# Altium PCB PFC_Stage.PcbDoc (part 5 of 5)
Units mil, origin at the board's own origin, x right, y up, seen from the top; angles counter-clockwise.
Board outline 14960.63 x 6299.21 mil, 2 copper layers (Top Layer, Bottom Layer), stack 64.567 mil thick; 586 components, 249 nets, 1375 pads, 1157 vias.
Unrouted connection lines stored in the file: 732.
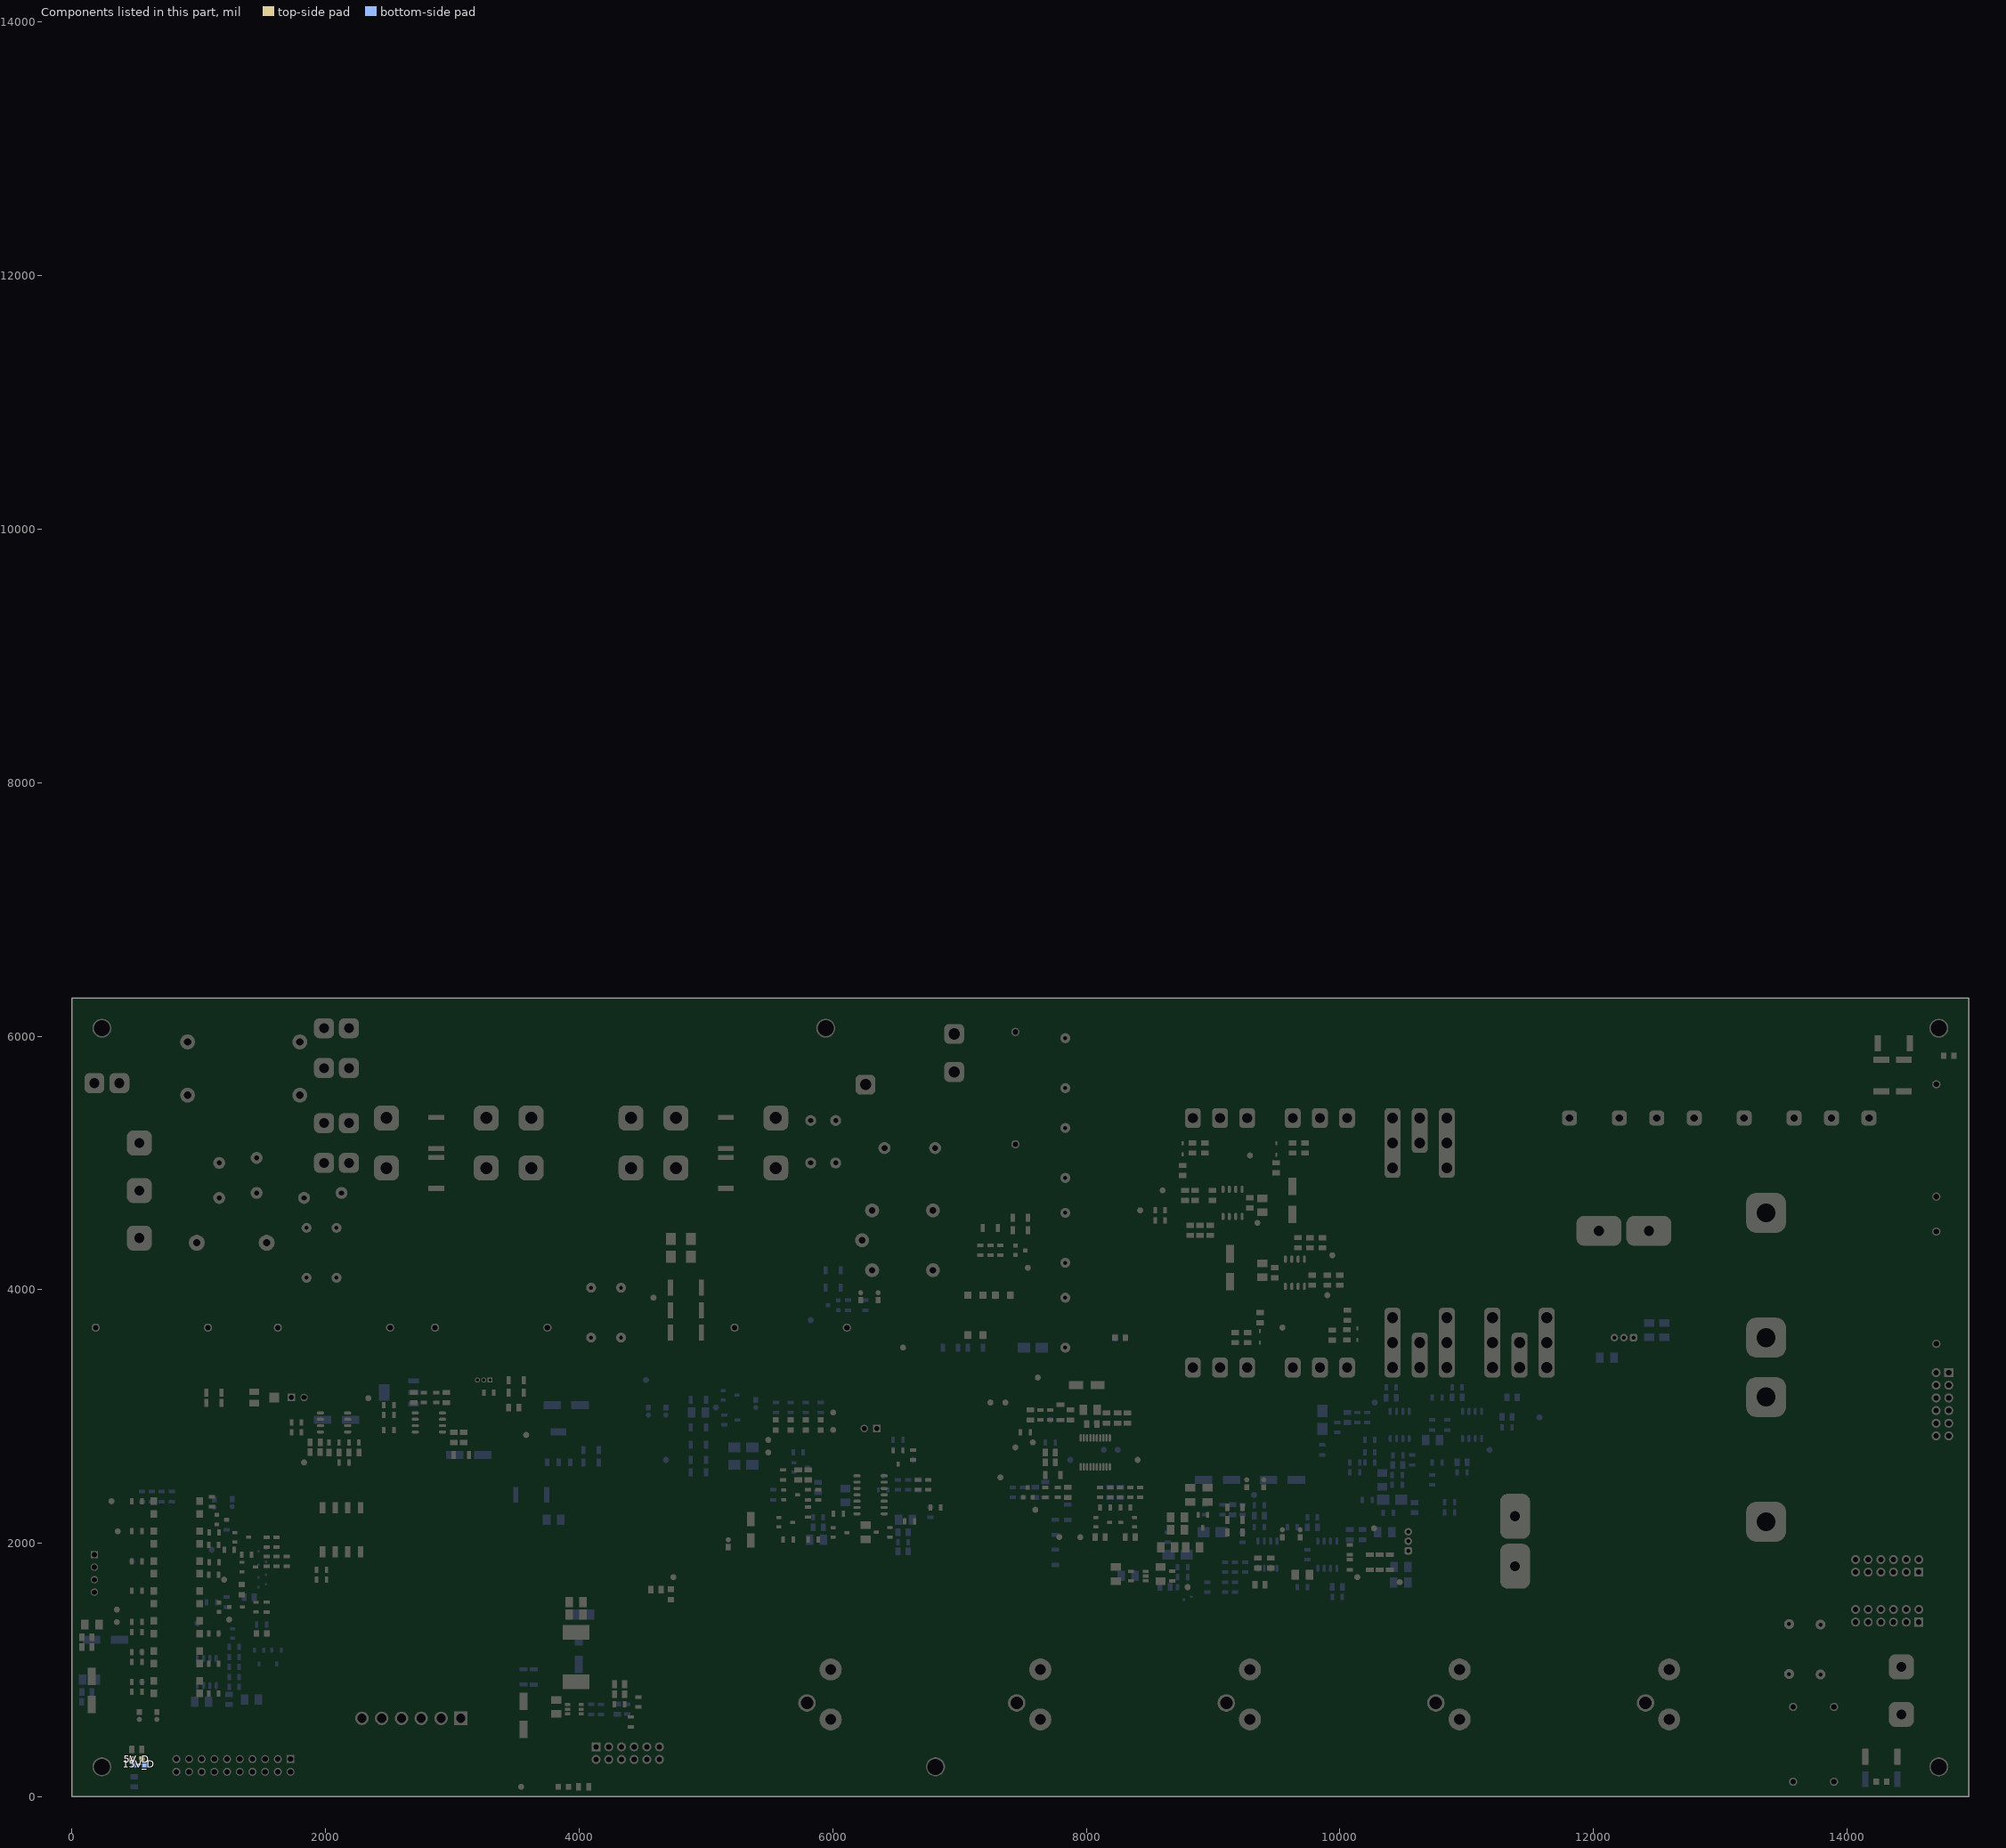
[diagram p5: the components of this part, seen from the top]

## Polygon pours and split planes (outlines as drawn) (continued)
OP_AMP_CS_VSS on Bottom Layer "NONET_L-01_P-001" (solid, pour order 39): 9586.61,2244.09 9586.61,2381.89 9704.72,2381.89 9763.78,2322.83 9763.78,2244.09
GND_D on Bottom Layer "GND_D_L02_P074" (solid, pour order 74): 885.83,2500 826.77,2440.94 826.77,708.66 885.83,649.61 1988.19,649.61 2027.56,610.24 2027.56,0 0,0 0,3385.83 2834.65,3385.83 2834.65,2519.69 2814.96,2500
Chassis on Bottom Layer "CHASSIS_L02_P084" (solid, remove dead copper, pour order 84): 4470.75,3689.87 7843.42,3689.87 7992.13,3838.58 7992.13,6299.21 0,6299.21 0,3436.26 0.43,3435.83 3763.95,3435.83 3880.2,3552.08 4332.96,3552.08
NEUTRAL_2 on Bottom Layer "NEUTRAL_2_L02_P040" (solid, pour order 40): 19 vertices, not listed, extent 5334.65,4616.14 8661.42,5669.29
NetC56_2 on Bottom Layer "NETC56_2_L02_P037" (solid, pour order 37): 21 vertices, not listed, extent 5059.06,4291.34 6476.38,6043.31
GND_HV on Bottom Layer "GND_HV_L02_P075" (solid, remove dead copper, pour order 75): 48 vertices, not listed, extent 7153.7,1100 10492.13,3051.18
J1N_2 on Bottom Layer "J1N_2_L02_P022" (solid, pour order 22): 20 vertices, not listed, extent 354.33,4639.54 2311.77,5433.07
NetC63_1 on Bottom Layer "NETC63_1_L02_P025" (solid, pour order 25): 4251.97,5078.74 4291.34,5118.11 4881.89,5118.11 4921.26,5078.74 4921.26,4842.52 4881.89,4803.15 4291.34,4803.15 4251.97,4842.52
NetC62_1 on Bottom Layer "NETC62_1_L02_P024" (solid, pour order 24): 3110.24,5078.74 3149.61,5118.11 3740.16,5118.11 3779.53,5078.74 3779.53,4842.52 3740.16,4803.15 3149.61,4803.15 3110.24,4842.52
NetC59_1 on Bottom Layer "NETC59_1_L02_P023" (solid, pour order 23): 19 vertices, not listed, extent 1397.64,4645.67 2637.8,5146.42
NetC55_2 on Bottom Layer "NETC55_2_L02_P021" (solid, pour order 21): 4251.97,5472.44 4291.34,5511.81 4881.89,5511.81 4921.26,5472.44 4921.26,5236.22 4881.89,5196.85 4291.34,5196.85 4251.97,5236.22
NetC54_2 on Bottom Layer "NETC54_2_L02_P020" (solid, pour order 20): 3110.24,5472.44 3149.61,5511.81 3740.16,5511.81 3779.53,5472.44 3779.53,5236.22 3740.16,5196.85 3149.61,5196.85 3110.24,5236.22
NetC59_2 on Bottom Layer "NETC59_2_L02_P019" (solid, pour order 19): 1950.02,5894.45 2570.12,5894.45 2598.43,5866.14 2598.43,5236.22 2559.06,5196.85 2401.57,5196.85 2362.2,5236.22 2362.2,5590.55 2311.77,5640.98 1918.07,5640.98 1909.45,5649.61 1909.45,5853.87
NetP6_1 on Bottom Layer "NETP6_1_L02_P017" (solid, pour order 17): 1574.8,6259.84 1496.06,6181.1 1496.06,5551.18 1574.8,5472.44 1614.17,5433.07 1843.58,5433.07 1859.02,5448.52 1859.02,5874.76 1929.13,5944.88 2283.46,5944.88 2322.83,5984.25 2322.83,6259.84
J1L_2 on Bottom Layer "J1L_2_L02_P016" (solid, pour order 16): 393.7,5433.07 531.5,5433.07 551.18,5452.76 551.18,6240.16 570.87,6259.84 1062.99,6259.84 1102.36,6220.47 1102.36,5590.55 659.45,5147.64 659.45,5059.06 639.76,5039.37 374.02,5039.37 354.33,5059.06 354.33,5393.7
NetQ3_2 on Bottom Layer "NetQ3_2" (solid, pour order 15): 20 vertices, not listed, extent 8987.44,3149.61 10275.59,3925.95
NetD5_3 on Bottom Layer "NetD5_3" (solid, pour order 12): 11062.99,2303.15 11515.75,2755.91 13610.99,2755.91 13610.99,1753.17 13404.31,1546.49 11170.04,1546.49 11062.99,1653.54
NetQ1_2 on Bottom Layer "NETQ1_2_L02_P002" (solid, pour order 2): 28 vertices, not listed, extent 9606.3,3937.01 12637.8,5472.44
LIVE_2 on Bottom Layer "LIVE" (solid, pour order 9): 38 vertices, not listed, extent 6692.91,4842.52 13759.84,6299.21
HV_RC on Bottom Layer "HV_RC_2" (solid, pour order 8): 17 vertices, not listed, extent 11653.54,5039.37 13346.46,5511.81
GND_HV on Bottom Layer "GND_HV_L02_P081" (solid, remove dead copper, pour order 81): 40 vertices, not listed, extent 8661.42,2814.96 10241.14,5905.51
NetD2_3 on Bottom Layer "NETD2_3_L02_P006" (solid, pour order 6): 26 vertices, not listed, extent 10352.79,4346.46 13582.68,5511.81
GND_HV on Top Layer "GND_HV_L01_P085" (solid, remove dead copper, pour order 85): 78 vertices, not listed, extent 834.8,0 10137.8,5177.17
NetK2_3 on Top Layer "NetK2_3" (solid, pour order 65): 19 vertices, not listed, extent 5925.2,4507.87 6846.65,5413.39
-5V_A_E on Top Layer "-5V_A_E_T" (solid, pour order 0): 21 vertices, not listed, extent 4586.61,216.54 8838.58,1579.37
5V_A on Top Layer "5V_A_L01_P036" (solid, pour order 36): 40 vertices, not listed, extent 3503.94,1003.94 8518.93,2047.24
15V_D on Top Layer "15V_D_T2" (solid, pour order 77): 570.87,590.55 570.87,452.76 559.21,441.1 180.49,441.1 126.14,495.45 126.14,590.55
15V_D on Top Layer "15V_D_T1" (solid, pour order 76): 21 vertices, not listed, extent 0,0 1771.65,3363.49
5V_D on Top Layer "5V_D_T1" (solid, pour order 61): 42 vertices, not listed, extent 59.06,118.11 1141.73,3287.4
NetC67_1 on Top Layer "NETC67_1_L01_P033" (solid, pour order 33): 4330.71,925.2 4330.71,688.98 4389.76,688.98 4389.76,925.2
OP_AMP_2_VREF_7 on Top Layer "OP_AMP_2_VREF" (solid, pour order 64): 9192.91,2322.83 9192.91,2047.24 9212.6,2027.56 9271.65,2027.56 9291.34,2047.24 9291.34,2322.83
OP_AMP_1_VREF_6 on Top Layer "OP_AMP_1_VREF_T" (solid, pour order 58): 10196.85,1988.19 10221.28,2012.62 10428.33,2012.62 10433.07,2007.87 10433.07,1870.08 10196.85,1870.08
OP_AMP_CS_VDD on Top Layer "OP_AMP_CS_VDD_Top" (solid, pour order 57): 27 vertices, not listed, extent 9153.54,1643.7 9980.32,2666.1
OP_AMP_CS_VSS on Top Layer "OP_AMP_CS_VSS_T" (solid, pour order 66): 20 vertices, not listed, extent 9271.65,1692.91 9842.52,2440.94
15V_A on Top Layer "15V_BT4" (solid, pour order 55): 34 vertices, not listed, extent 8444.88,4212.9 9685.04,4891.73
15V_A on Top Layer "15V_BT3" (solid, remove dead copper, pour order 54): 42 vertices, not listed, extent 8090.55,2406.5 9763.78,4134.8
15V_A on Top Layer "15V_B_T2" (solid, pour order 50): 8051.18,3070.87 8004.29,3117.75 8004.29,3287.45 8004.31,3287.4 8405.51,3287.4 8405.51,3070.87
SD_OP_VDD on Top Layer "SD_OP_VDD" (solid, pour order 47): 5297.24,2145.67 5314.96,2127.95 5411.42,2127.95 5413.39,2125.98 5413.39,1948.82 5295.28,1948.82 5295.28,2066.93 5282.76,2079.45 5125.27,2079.45 5118.11,2086.61 5118.11,2145.67
GND_D on Top Layer "GND_D_L01_P078" (solid, remove dead copper, pour order 78): 18 vertices, not listed, extent 0,0 3051.18,3366.14
NetC59_2 on Top Layer "NETC59_2_L01_P056" (solid, pour order 56): 1950.02,5894.45 2570.12,5894.45 2598.43,5866.14 2598.43,5236.22 2559.06,5196.85 2401.57,5196.85 2362.2,5236.22 2362.2,5590.55 2311.77,5640.98 1918.07,5640.98 1909.45,5649.61 1909.45,5853.87
J1N_2 on Top Layer "J1N_2_L01_P051" (solid, pour order 51): 20 vertices, not listed, extent 354.33,4639.54 2311.77,5433.07
J1L_2 on Top Layer "J1L_2_L01_P049" (solid, pour order 49): 393.7,5433.07 531.5,5433.07 551.18,5452.76 551.18,6240.16 570.87,6259.84 1062.99,6259.84 1102.36,6220.47 1102.36,5590.55 659.45,5147.64 659.45,5059.06 639.76,5039.37 374.02,5039.37 354.33,5059.06 354.33,5393.7
NetP6_1 on Top Layer "NETP6_1_L01_P048" (solid, pour order 48): 1574.8,6259.84 1496.06,6181.1 1496.06,5551.18 1574.8,5472.44 1614.17,5433.07 1843.58,5433.07 1859.02,5448.52 1859.02,5874.76 1929.13,5944.88 2283.46,5944.88 2322.83,5984.25 2322.83,6259.84
NetD39_1 on Top Layer "NETD39_1_L01_P046" (solid, pour order 46): 925.2,4291.34 905.51,4311.02 905.51,4566.93 1358.27,5019.69 1358.27,5078.74 1377.95,5098.43 1515.75,5098.43 1535.43,5078.74 1535.43,5019.69 1062.99,4547.24 1062.99,4311.02 1043.31,4291.34
Chassis on Top Layer "CHASSIS_L01_P083" (solid, remove dead copper, pour order 83): 5059.06,3416.57 5059.06,4665.35 5610.24,5216.54 7913.39,5216.54 7972.44,5275.59 7972.44,6279.53 7952.76,6299.21 0,6299.21 0,3425.2 8.62,3416.57
NetC63_1 on Top Layer "NETC63_1_L01_P045" (solid, pour order 45): 4251.97,5078.74 4291.34,5118.11 4881.89,5118.11 4921.26,5078.74 4921.26,4842.52 4881.89,4803.15 4291.34,4803.15 4251.97,4842.52
NetC55_2 on Top Layer "NETC55_2_L01_P044" (solid, pour order 44): 4251.97,5472.44 4291.34,5511.81 4881.89,5511.81 4921.26,5472.44 4921.26,5236.22 4881.89,5196.85 4291.34,5196.85 4251.97,5236.22
NetC62_1 on Top Layer "NETC62_1_L01_P043" (solid, pour order 43): 3110.24,5078.74 3149.61,5118.11 3740.16,5118.11 3779.53,5078.74 3779.53,4842.52 3740.16,4803.15 3149.61,4803.15 3110.24,4842.52
NetC54_2 on Top Layer "NETC54_2_L01_P042" (solid, pour order 42): 3110.24,5472.44 3149.61,5511.81 3740.16,5511.81 3779.53,5472.44 3779.53,5236.22 3740.16,5196.85 3149.61,5196.85 3110.24,5236.22
GND_HV on Top Layer "GND_HV_L01_P030" (solid, pour order 30): 17 vertices, not listed, extent 3523.62,618.26 3976.38,1594.49
NetC67_2 on Top Layer "NETC67_2_L01_P035" (solid, pour order 35): 4311.02,984.25 4311.02,767.72 4133.86,767.72 4074.8,826.77 3858.27,826.77 3838.58,846.46 3838.58,984.25
15V_A on Top Layer "15V_A_L01_P029" (solid, pour order 29): 37 vertices, not listed, extent 901.5,0 4448.82,1574.8
NetQ3_2 on Top Layer "NetQ3_2" (solid, pour order 14): 33 vertices, not listed, extent 8622.05,1585.86 11653.54,3503.94
NetD5_3 on Top Layer "NetD5_3" (solid, pour order 27): 17 vertices, not listed, extent 10196.85,2040.88 11681.85,3937.01
HV_RC on Top Layer "HV_RC_1" (solid, pour order 13): 33 vertices, not listed, extent 11015,2913.39 14960.63,5728.35
NEUTRAL_2 on Top Layer "NEUTRAL" (solid, pour order 10): 36 vertices, not listed, extent 7125.98,4648.43 14015.75,6299.21
400V+ on Top Layer "400V_Bulk" (solid, remove dead copper, pour order 7): 39 vertices, not listed, extent 5157.48,0 14960.63,5461.38
NetQ1_2 on Top Layer "NetQ1_2" (solid, pour order 5): 27 vertices, not listed, extent 8954.33,5231.72 9911.92,5826.77
GND_HV on Top Layer "GND_HV_L01_P004" (solid, pour order 4): 26 vertices, not listed, extent 9960.63,4724.41 12913.39,5826.77
no net on Bottom Solder "NONET_L-01_P-001" (solid): 25 vertices, not listed, extent 9645.67,3956.69 12618.11,5433.07
no net on Bottom Solder "NONET_L-01_P-001" (solid, pour order 82): 13204.72,3733.4 13250.85,3779.53 13473.56,3779.53 13519.69,3733.4 13519.69,3042.19 13473.56,2996.06 13250.85,2996.06 13204.72,3042.19
no net on Bottom Solder "NONET_L-01_P-001" (solid): 6476.38,5846.46 6437.01,5885.83 5374.02,5885.83 5334.65,5846.46 5334.65,5275.59 5374.02,5236.22 5708.66,5236.22 5728.35,5255.91 5728.35,5492.13 5748.03,5511.81 6437.01,5511.81 6476.38,5551.18
no net on Bottom Solder "NONET_L-01_P-001" (solid): 28 vertices, not listed, extent 12696.85,492.13 14960.63,6299.21
no net on Bottom Solder "NONET_L-01_P-001" (solid): 11496.06,2677.17 13523.62,2677.17 13523.62,1771.65 13366.14,1614.17 11240.16,1614.17 11141.73,1712.6 11141.73,2322.83
no net on Bottom Solder "NONET_L-01_P-001" (solid): 19 vertices, not listed, extent 8992.13,3169.29 10236.22,3897.64
no net on Bottom Solder "NONET_L-01_P-001" (solid): 35 vertices, not listed, extent 8661.42,2913.39 10157.48,5866.14
no net on Bottom Solder "NONET_L-01_P-001" (solid): 46 vertices, not listed, extent 5334.65,4645.67 8641.73,5649.61
no net on Bottom Solder "NONET_L-01_P-001" (solid): 1850.39,5078.74 1889.76,5118.11 2598.43,5118.11 2637.8,5078.74 2637.8,4842.52 2362.2,4842.52 2322.83,4881.89 1889.76,4881.89 1850.39,4921.26
no net on Bottom Solder "NONET_L-01_P-001" (solid): 25 vertices, not listed, extent 374.02,4639.54 2263.78,5433.07
no net on Bottom Solder "NONET_L-01_P-001" (solid): 2381.89,5236.22 2401.57,5216.54 2578.74,5216.54 2598.43,5236.22 2598.43,5866.14 2570.12,5894.45 1950.02,5894.45 1909.45,5853.87 1909.45,5649.61 1918.07,5640.98 2311.77,5640.98 2381.89,5570.87
no net on Bottom Solder "NONET_L-01_P-001" (solid): 1496.06,6181.1 1496.06,5610.24 1633.86,5472.44 1850.39,5472.44 1856.38,5478.42 1856.38,5872.12 1929.13,5944.88 2283.46,5944.88 2322.83,5984.25 2322.83,6259.84 1574.8,6259.84
no net on Bottom Solder "NONET_L-01_P-001" (solid): 4833.38,4862.2 4862.73,4891.56 4862.73,4960.63 4862.2,5030.23 4833.38,5059.06 4339.85,5059.06 4311.02,5030.23 4311.02,4891.03 4339.85,4862.2
no net on Bottom Solder "NONET_L-01_P-001" (solid): 4833.38,5255.91 4862.73,5285.26 4862.73,5354.33 4862.2,5423.93 4833.38,5452.76 4339.85,5452.76 4311.02,5423.93 4311.02,5284.73 4339.85,5255.91
no net on Bottom Solder "NONET_L-01_P-001" (solid): 3691.64,4862.2 3721,4891.56 3721,4960.63 3720.47,5030.23 3691.64,5059.06 3198.12,5059.06 3169.29,5030.23 3169.29,4891.03 3198.12,4862.2
no net on Bottom Solder "NONET_L-01_P-001" (solid): 3691.64,5255.91 3721,5285.26 3721,5354.33 3720.47,5423.93 3691.64,5452.76 3198.12,5452.76 3169.29,5423.93 3169.29,5284.73 3198.12,5255.91
no net on Bottom Solder "NONET_L-01_P-001" (solid): 17 vertices, not listed, extent 393.7,5059.06 1102.36,6259.84
no net on Bottom Solder "NONET_L-01_P-001" (solid): 17 vertices, not listed, extent 11712.6,5078.74 13287.4,5452.76
no net on Bottom Solder "NONET_L-01_P-001" (solid): 30 vertices, not listed, extent 10413.39,4350.39 13582.68,5433.07
no net on Bottom Solder "NONET_L-01_P-001" (solid): 35 vertices, not listed, extent 6732.28,4881.89 13661.42,6259.84
no net on Top Solder "NONET_L-01_P-001" (solid): 31 vertices, not listed, extent 8661.42,1614.17 11614.17,3464.57
no net on Top Solder "NONET_L-01_P-001" (solid): 11257.87,2088.58 11576.77,2088.58 11614.17,2125.98 11614.17,2637.8 11476.38,2775.59 10905.51,2775.59 10478.74,3202.36 10478.74,3851.97 10452.76,3877.95 10255.91,3877.95 10236.22,3858.27 10236.22,3110.24
no net on Top Solder "NONET_L-01_P-001" (solid): 25 vertices, not listed, extent 11062.99,2952.76 14055.12,5433.07
no net on Top Solder "NONET_L-01_P-001" (solid): 47 vertices, not listed, extent 10255.91,492.13 14960.63,5433.07
no net on Top Solder "NONET_L-01_P-001" (solid): 25 vertices, not listed, extent 9993.7,4744.09 12874.02,5807.09
no net on Top Solder "NONET_L-01_P-001" (solid): 17 vertices, not listed, extent 8992.13,5275.59 9905.51,5787.4
no net on Top Solder "NONET_L-01_P-001" (solid): 40 vertices, not listed, extent 7145.67,4670.28 13976.38,6240.16

## Other copper
Top Layer:
  drawing of 12 lines, arcs and shapes, not listed
  text "Project Garuda" at 807.09,2835.22 h157.48
Bottom Layer:
  pour cut-out: 13976.38,1968.5 14665.35,1968.5 14665.35,1673.23 13976.38,1673.23
  text "26-12-2020-RG" at 2592.43,79.69 h78.74

## Silkscreen, mask and mechanical layers (free items; w line width, h text height)
Top Overlay:
  drawing of 361 lines, arcs and shapes, not listed
  text "H" at 2813.57,5761.27 h300
  text "230V-AC" at 2736.13,5709.77 h100
  text "Live" at 2145.67,5609.51 h60 r180
  text "g" at 629.92,5510.33 h300
  text "Neutral" at 2007.87,5453.48 h60
  text "H" at 1617.46,5217.63 h236.22 r270
  text "L" at 748.03,5196.85 h118.11 r270
  text "6PCV-03-006" at 59.78,4921.26 h60 r270
  text "N" at 748.14,4810.64 h118.11 r270
  text "x" at 9959.24,4639.22 h300
  text "DANGER" at 11220.47,4508.6 h60
  text "47.6 X 23.3 X 19 mm" at 14253.15,4507.87 h98.43 r270
  text "Sendust / KoolmU" at 14371.26,4468.5 h98.43 r270
  text "H" at 7974.8,4431.45 h500 r270
  text "SHOCK HAZARD" at 11220.36,4429.86 h60
  text "E" at 748.14,4416.93 h118.11 r270
  text "AL-135 u - 60" at 14154.73,4350.39 h98.43 r270
  text "H" at 10884,4349.31 h393.7
  text "Buchanan 6" at 59.06,4292.06 h60
  text "H" at 2774.5,4235.57 h236.22
  text "H" at 3896.54,4235.57 h236.22
  text "H" at 5117.02,4235.57 h236.22
  text "Barrier Strips" at 59.06,4223.25 h60
  text "H" at 3.28,4134.95 h236.22 r270
  text "230V-AC" at 8190.09,4074.9 h100 r270
  text "x" at 8778.14,3654.97 h300
  text "H" at 1258.75,3408.8 h236.22
  text "H" at 4467.41,3408.8 h236.22
  text "|HV_RC|HV_RC|_|_|GND|GND|" at 14890.07,3366.14 h43.31 r270
  text "|S|P|" at 1850.39,3337.54 h47.24 r180
  text "|S|P|" at 6337.14,3112.12 h47.24 r180
  text "47.6 X 23.3 X 19 mm" at 14233.47,3110.24 h98.43 r270
  text "Sendust / KoolmU" at 14351.58,3070.87 h98.43 r270
  text "W" at 4251.97,3011.81 h314.96
  text "AL-135 u - 60" at 14135.04,2952.76 h98.43 r270
  text "E" at 6789.02,2906.88 h500
  text "010-PFC01-05" at 3937.01,2874.96 h78.74
  text "b" at 3897.64,2855.15 h551.18
  text "AMC1211A-Q1" at 3405.51,2641.08 h50
  text "Project Garuda" at 4389.76,2618.98 h236.22
  text "High-Impedance, 2-V" at 3385.83,2586.25 h40
  text "E" at 2538.44,2572.2 h200
  text "Isolated Amplifiers" at 3405.51,2546.47 h40
  text "400V-DC" at 14900.7,2362.2 h78.74 r90
  text "H" at 14864.25,2360.35 h400 r90
  text "OVERRIDE" at 2401.57,2185.76 h60
  text "Google Lens" at 4015.75,2156.99 h60
  text "|GND_D|GND_D|5V_D|15V_D|" at 40.17,2001.45 h39.37 r270
  text "1. Relay_T_PFC / 2. Relay_PFC / 3. SS / 4. Gate Driver Enable" at 2401.57,1988.19 h50
  text "UCC28070 - Q1" at 7106.3,1916.02 h100
  text "Interleaving Continuous" at 7106.3,1841.98 h60
  text "github.com/g-rahul" at 3062.59,1799.96 h111.86
  text "Conduction Mode PFC Controller" at 7106.3,1792 h60
  text "GND_HV" at 13947.61,1555.12 h60 r270
  text "Sponsored By" at 2224.41,1435.45 h100
  text "400V-DC" at 9940.94,1379.06 h100
  text "H" at 11592.17,1340.94 h500
  text "GND_HV" at 14202,905.51 h60 r90
  text "Discharge Capacitors" at 4867.02,866.14 h78.74 r90
  text "Before Handling" at 4985.13,866.14 h78.74 r90
  text "|15V|15V|GND|GND|5V|5V|" at 2342.52,857.78 h60
  text "N" at 1594.77,721.59 h300
  text "400V" at 14211.88,570.87 h60 r90
  text "H" at 5111.54,470.25 h472.44 r90
  text "IPC-2152" at 2106.3,197.8 h78.74
  text "15V|15V|15V|GND|GND|-5V|" at 4094.49,186.81 h51.18
  text "IPC-2221B" at 2106.3,118.99 h78.74
  text "C" at 2500,118.11 h236.22
  text "a" at 5111.54,76.55 h472.44 r90
  text "p" at 2893.7,48.34 h236.22
  text "R" at 2736.22,20.72 h314.96
  text "O" at 3129.56,5.84 h393.7
Bottom Overlay:
  lines w7.87: 9551.97,13761.42 9551.97,13761.42
  lines w10: 2421.26,1062.99 2440.94,1062.99 ; 2421.26,1082.33 2421.26,1102.36 ; 2421.26,1122.05 2421.26,1141.73 ; 2421.26,1161.42 2421.26,1181.1 ; 2421.26,1200.79 2421.26,1220.47 ; 2421.26,1240.16 2421.26,1259.84 ; 2421.26,1279.53 2421.26,1299.21 ; 2421.26,1318.9 2421.26,1338.58 ; 2421.26,1358.27 2421.26,1377.95 ; 2421.26,1397.64 2421.26,1417.32 ; 2421.26,1437.01 2421.26,1456.69 ; 2421.26,1476.38 2421.26,1496.06 ; 2421.26,1515.4 2421.26,1535.43 ; 2421.26,1555.12 2421.26,1574.8 ; 2421.26,1594.49 2421.26,1614.17 ; 2421.26,1633.86 2421.26,1653.54 ; 2421.26,1673.23 2421.26,1692.91 ; 2421.26,1712.6 2421.26,1732.28 ; 2421.26,1751.97 2421.26,1771.65 ; 2421.26,1811.02 2421.26,1830.71 ; 2421.26,1850.39 2421.26,1870.08 ; 2421.26,1889.76 2421.26,1909.45 ; 2421.26,1929.13 2421.26,1948.82 ; 2421.26,1968.15 2421.26,1988.19 ; 2421.26,2007.87 2421.26,2027.56 ; 2421.26,2047.24 2421.26,2066.93 ; 2421.26,2086.61 2421.26,2106.3 ; 2421.26,2125.98 2421.26,2145.67 ; 2421.26,2165.35 2421.26,2185.04 ; 2421.26,2204.72 2421.26,2224.41 2440.94,2224.41 ; 2460.63,1062.99 2480.31,1062.99 ; 2460.63,2224.41 2480.31,2224.41 ; 2500,1062.99 2519.68,1062.99 ; 2500,2224.41 2519.68,2224.41 ; 2539.37,1062.99 2559.05,1062.99 ; 2539.37,2224.41 2559.06,2224.41 ; 2578.39,1062.99 2598.43,1062.99 ; 2578.74,2224.41 2598.43,2224.41 ; 2618.11,1062.99 2637.8,1062.99 ; 2618.11,2224.41 2637.8,2224.41 ; 2657.48,1062.99 2677.17,1062.99 ; 2657.48,2224.41 2677.52,2224.41 ; 2696.85,1062.99 2716.54,1062.99 ; 2696.85,2224.41 2716.54,2224.41 ; 2736.22,1062.99 2755.91,1062.99 ; 2736.22,2224.41 2755.91,2224.41 ; 2775.59,1062.99 2795.28,1062.99 ; 2775.59,2224.41 2795.28,2224.41 ; 2814.96,1062.99 2834.65,1062.99 2834.65,1082.68 ; 2814.96,2224.41 2834.65,2224.41 2834.65,2204.72 ; 2834.65,1102.36 2834.65,1122.05 ; 2834.65,1141.73 2834.65,1161.42 ; 2834.65,1181.1 2834.65,1201.14 ; 2834.65,1220.47 2834.65,1240.16 ; 2834.65,1259.84 2834.65,1279.53 ; 2834.65,1299.21 2834.65,1318.9 ; 2834.65,1338.58 2834.65,1358.27 ; 2834.65,1377.95 2834.65,1397.64 ; 2834.65,1417.32 2834.65,1437.01 ; 2834.65,1456.69 2834.65,1476.38 ; 2834.65,1496.06 2834.65,1515.75 ; 2834.65,1535.43 2834.65,1555.12 ; 2834.65,1574.8 2834.65,1594.49 ; 2834.65,1614.17 2834.65,1634.21 ; 2834.65,1653.54 2834.65,1673.23 ; 2834.65,1692.91 2834.65,1712.6 ; 2834.65,1732.28 2834.65,1751.97 ; 2834.65,1771.65 2834.65,1791.34 ; 2834.65,1811.02 2834.65,1830.71 ; 2834.65,1850.39 2834.65,1870.08 ; 2834.65,1889.76 2834.65,1909.45 ; 2834.65,1929.13 2834.65,1948.82 ; 2834.65,1968.5 2834.65,1988.19 ; 2834.65,2007.87 2834.65,2027.56 ; 2834.65,2047.24 2834.65,2067.28 ; 2834.65,2086.61 2834.65,2106.3 ; 2834.65,2125.98 2834.65,2145.67 ; 2834.65,2165.35 2834.65,2185.04 ; 7992.13,4665.35 7992.13,3385.83 ; 7992.13,6299.21 6161.42,6299.21 0,6299.21 0,3385.83 ; 8188.98,1673.23 5255.91,1673.23 5118.11,1535.43 5118.11,0 0,0 0,3385.83 ; 8464.57,1791.34 8503.94,1830.71 8503.94,1909.45 ; 8503.94,1929.13 8503.94,3385.83 7992.13,3385.83 ; 0,3385.83 7992.13,3385.83 ; 98.43,2559.06 1417.32,2559.06 1417.32,3326.77 98.43,3326.77 98.43,2559.06 ; 2755.91,4133.86 2755.91,4645.67 2755.91,4665.35 2972.44,4665.35 5275.59,4665.35 5275.59,4133.86 2755.91,4133.86 ; 8129.92,118.11 8523.62,118.11 8523.62,1397.64 8129.92,1397.64 8129.92,118.11 ; 9876.5,137.8 10270.2,137.8 10270.2,1397.64 9876.5,1397.64 9876.5,137.8 ; 12874.02,196.85 12874.02,1200.79 13110.24,1200.79 13110.24,1141.73 13110.24,196.85 12874.02,196.85
  text "EMI Stage" at 4291.34,5962.96 h200
  text "L" at 216.54,5196.85 h196.85 r90
  text "N" at 216.54,4822.83 h196.85 r90
  text "WARNING" at 4685.04,4528.7 h94.49
  text "E" at 216.54,4448.82 h196.85 r90
  text "ELECTRIC SHOCK HAZARD" at 4677.18,4390.7 h94.49
  text "DO NOT TOUCH EXPOSED PADS OR COPPER" at 4685.04,4240.79 h94.49
  text "H" at 5229.66,4065.67 h708.66
  text "Switch Node" at 12989.72,4035.43 h200 r90
  text "g" at 747.3,3380.74 h787.4
  text "|HV_RC|HV_RC|_|_|GND|GND|" at 14913.08,3366.14 h43.31 r90
  text "Vin (Min) (V)    -  180 / Vin (Max) (V)    -  264 / Vout (Nom) (V) -  400 / Iout (Max) (A)   -  12 / Output Power (W) - 5000 / Isolated/Non-Isolated - Non-Isolated / Input Type - AC / Topology -  Boost- PFC" at 1338.58,2637.8 h78.74
  text "Control Stage" at 2238.22,2224.41 h200 r90
  text "This Hardware is" at 2526,2165.35 h94.49 r90
  text "Property Of Team Garuda" at 2607.74,2165.35 h94.49 r90
  text "RV College Of Engineering" at 2706.16,2165.35 h94.49 r90
  text "Bangalore." at 2784.9,2165.35 h94.49 r90
  text "|GND_D|GND_D|5V_D|15V_D|" at 91.13,2013.78 h39.37 r90
  text "S" at 4743.37,1629.93 h787.4
  text "H" at 8536.74,1360.45 h472.44 r90
  text "LETHAL VOLTAGE PLANE" at 8286.45,1043.31 h78.74 r90
  text "a" at 10288.71,1041.12 h472.44 r90
  text "Do not Touch Exposed Terminals" at 10028.89,1023.62 h59.06 r90
  text "Ensure Capacitor Discharge" at 10106.97,1023.62 h59.06 r90
  text "400V-DC" at 8462.2,925.2 h196.85 r90
  text "|15V|15V|GND|GND|5V|5V|" at 2342.52,776.08 h60 r180
  text "G" at 11968.5,339.04 h787.4
  text "www.projectgaruda.org" at 3208.66,337.26 h118.11
  text "400V-DC" at 12916.23,275.59 h236.22 r270
  text "Not For Commercial Use" at 3031.5,217.48 h78.74
  text "Output Stage" at 13226.74,157.48 h200 r270
  text "15V|15V|15V|GND|GND|-5V|" at 4094.49,147.83 h51.18 r180
  text "010-PFC01-05" at 3090.55,79.69 h78.74
Top Solder:
  drawing of 12 lines, arcs and shapes, not listed
  text "Project Garuda" at 807.09,2835.22 h157.48
Bottom Solder:
  pour cut-out: 13976.38,1968.5 13976.38,1673.23 14665.35,1673.23 14665.35,1968.5
  text "26-12-2020-RG" at 2592.44,79.69 h78.74
Outline:
  the board outline again, w10
Sheet:
  lines w10: -800,15321.26 -800,15335.43 22185.83,15335.43 22185.83,-799.99 -800,-800 -800,15321.26 ; -800,15321.26 -800,15321.26 ; -1000,-1000 22385.83,-1000 22385.83,15535.43 -1000,15535.43 -1000,-1000
Mechanical 16:
  drawing of 30 lines, arcs and shapes, not listed
  text "ENGINEER:" at 17735.82,300.02 h45
  text "TITLE:" at 19235.82,300.02 h45
  text "PCB DESIGNER:" at 17735.82,5.02 h45
  text "DATE:" at 17735.82,-299.98 h45
  text "PART NO.:" at 19235.82,-299.98 h45
  text "REV:" at 21335.82,-299.98 h45
  text ".PRINT_DATE" at 17785.82,-419.98 h70
  text "FILE NAME:" at 17735.82,-599.98 h45
  text "DWG NO:" at 19235.82,-599.98 h45
  text "SCALE:" at 21335.82,-599.98 h45
  text ".PCB_FILE_NAME_NO_PATH" at 17743.28,-727.26 h55.12
Drill Drawing:
  drawing of 189 lines, arcs and shapes, not listed
  text "Symbol" at 683.33,12214.37 h72
  text "Count" at 1189.2,12214.37 h72
  text "Hole Size" at 1829.03,12214.37 h72
  text "Plated" at 2978.69,12214.37 h72
  text "Hole Type" at 3484.57,12214.37 h72
  text "Drill Layer Pair" at 4218.37,12214.37 h72
  text "Via/Pad" at 5717.92,12214.37 h72
  text "Pad Shape" at 6307.77,12214.37 h72
  text "Template" at 7397.45,12214.37 h72
  text "Description" at 8627.09,12214.37 h72
  text "Hole Tolerance (+)" at 9480.86,12214.37 h72
  text "Hole Tolerance (-)" at 10814.46,12214.37 h72
  text "2" at 1189.2,12064.37 h60
  text "47.24mil (1.200mm)" at 1829.03,12064.37 h60
  text "PTH" at 2978.69,12064.37 h60
  text "Round" at 3484.57,12064.37 h60
  text "Top Layer - Bottom Layer" at 4218.37,12064.37 h60
  text "Pad" at 5717.92,12064.37 h60
  text "Rounded" at 6307.77,12064.37 h60
  text "c240h120" at 7397.45,12064.37 h60
  text "2" at 1189.2,11914.37 h60
  text "55.12mil (1.400mm)" at 1829.03,11914.37 h60
  text "PTH" at 2978.69,11914.37 h60
  text "Round" at 3484.57,11914.37 h60
  text "Top Layer - Bottom Layer" at 4218.37,11914.37 h60
  text "Pad" at 5717.92,11914.37 h60
  text "Rounded" at 6307.77,11914.37 h60
  text "c320h140" at 7397.45,11914.37 h60
  text "3" at 1189.2,11764.37 h60
  text "23.62mil (0.600mm)" at 1829.03,11764.37 h60
  text "PTH" at 2978.69,11764.37 h60
  text "Round" at 3484.57,11764.37 h60
  text "Top Layer - Bottom Layer" at 4218.37,11764.37 h60
  text "Pad" at 5717.92,11764.37 h60
  text "(Mixed)" at 6307.77,11764.37 h60
  text "(Mixed)" at 7397.45,11764.37 h60
  text "3" at 1189.2,11614.37 h60
  text "28.00mil (0.711mm)" at 1829.03,11614.37 h60
  text "PTH" at 2978.69,11614.37 h60
  text "Round" at 3484.57,11614.37 h60
  text "Top Layer - Bottom Layer" at 4218.37,11614.37 h60
  text "Via" at 5717.92,11614.37 h60
  text "Rounded" at 6307.77,11614.37 h60
  text "v127h71" at 7397.45,11614.37 h60
  text "A" at 654.24,11604.39 h66.67
  text "3" at 1189.2,11464.37 h60
  text "88.19mil (2.240mm)" at 1829.03,11464.37 h60
  text "PTH" at 2978.69,11464.37 h60
  text "Round" at 3484.57,11464.37 h60
  text "Top Layer - Bottom Layer" at 4218.37,11464.37 h60
  text "Pad" at 5717.92,11464.37 h60
  text "Rounded Rectangle" at 6307.77,11464.37 h60
  text "s400h224r50" at 7397.45,11464.37 h60
  text "E" at 654.24,11454.39 h66.67
  text "4" at 1189.2,11314.37 h60
  text "39.37mil (1.000mm)" at 1829.03,11314.37 h60
  text "PTH" at 2978.69,11314.37 h60
  text "Round" at 3484.57,11314.37 h60
  text "Top Layer - Bottom Layer" at 4218.37,11314.37 h60
  text "Pad" at 5717.92,11314.37 h60
  text "(Mixed)" at 6307.77,11314.37 h60
  text "(Mixed)" at 7397.45,11314.37 h60
  text "1.97mil (0.050mm)" at 9480.86,11314.37 h60
  text "1.97mil (0.050mm)" at 10814.46,11314.37 h60
  text "F" at 654.24,11304.39 h66.67
  text "4" at 1189.2,11164.37 h60
  text "78.74mil (2.000mm)" at 1829.03,11164.37 h60
  text "PTH" at 2978.69,11164.37 h60
  text "Slot" at 3484.57,11164.37 h60
  text "Top Layer - Bottom Layer" at 4218.37,11164.37 h60
  text "Pad" at 5717.92,11164.37 h60
  text "Rounded Rectangle" at 6307.77,11164.37 h60
  text "r900_600h200_600r50" at 7397.45,11164.37 h60
  text "4" at 1189.2,11014.37 h60
  text "149.61mil (3.800mm)" at 1829.03,11014.37 h60
  text "PTH" at 2978.69,11014.37 h60
  text "Round" at 3484.57,11014.37 h60
  text "Top Layer - Bottom Layer" at 4218.37,11014.37 h60
  text "Pad" at 5717.92,11014.37 h60
  text "Rounded Rectangle" at 6307.77,11014.37 h60
  text "s800h380r50" at 7397.45,11014.37 h60
  text "C" at 654.24,11004.39 h66.67
  text "5" at 1189.2,10864.37 h60
  text "51.18mil (1.300mm)" at 1829.03,10864.37 h60
  text "PTH" at 2978.69,10864.37 h60
  text "Round" at 3484.57,10864.37 h60
  text "Top Layer - Bottom Layer" at 4218.37,10864.37 h60
  text "Pad" at 5717.92,10864.37 h60
  text "Rounded" at 6307.77,10864.37 h60
  text "c280h130" at 7397.45,10864.37 h60
  text "5" at 1189.2,10714.37 h60
  text "98.43mil (2.500mm)" at 1829.03,10714.37 h60
  text "PTH" at 2978.69,10714.37 h60
  text "Round" at 3484.57,10714.37 h60
  text "Top Layer - Bottom Layer" at 4218.37,10714.37 h60
  text "Pad" at 5717.92,10714.37 h60
  text "Rounded" at 6307.77,10714.37 h60
  text "c350h250" at 7397.45,10714.37 h60
  text "D" at 654.24,10704.39 h66.67
  text "6" at 1189.2,10564.37 h60
  text "70.87mil (1.800mm)" at 1829.03,10564.37 h60
  text "PTH" at 2978.69,10564.37 h60
  text "Round" at 3484.57,10564.37 h60
  text "Top Layer - Bottom Layer" at 4218.37,10564.37 h60
  text "Pad" at 5717.92,10564.37 h60
  text "(Mixed)" at 6307.77,10564.37 h60
  text "(Mixed)" at 7397.45,10564.37 h60
  text "B" at 654.24,10554.39 h66.67
  text "6" at 1189.2,10414.37 h60
  text "125.98mil (3.200mm)" at 1829.03,10414.37 h60
  text "PTH" at 2978.69,10414.37 h60
  text "Round" at 3484.57,10414.37 h60
  text "Top Layer - Bottom Layer" at 4218.37,10414.37 h60
  text "Pad" at 5717.92,10414.37 h60
  text "Rounded" at 6307.77,10414.37 h60
  text "c380h320" at 7397.45,10414.37 h60
  text "12" at 1189.2,10264.37 h60
  text "59.06mil (1.500mm)" at 1829.03,10264.37 h60
  text "PTH" at 2978.69,10264.37 h60
  text "Round" at 3484.57,10264.37 h60
  text "Top Layer - Bottom Layer" at 4218.37,10264.37 h60
  text "Pad" at 5717.92,10264.37 h60
  text "(Mixed)" at 6307.77,10264.37 h60
  text "(Mixed)" at 7397.45,10264.37 h60
  text "12" at 1189.2,10114.37 h60
  text "94.49mil (2.400mm)" at 1829.03,10114.37 h60
  text "PTH" at 2978.69,10114.37 h60
  text "Round" at 3484.57,10114.37 h60
  text "Top Layer - Bottom Layer" at 4218.37,10114.37 h60
  text "Pad" at 5717.92,10114.37 h60
  text "Rounded Rectangle" at 6307.77,10114.37 h60
  text "s500h240r50" at 7397.45,10114.37 h60
  text "14" at 1189.2,9964.37 h60
  text "39.37mil (1.000mm)" at 1829.03,9964.37 h60
  text "PTH" at 2978.69,9964.37 h60
  text "Round" at 3484.57,9964.37 h60
  text "Top Layer - Bottom Layer" at 4218.37,9964.37 h60
  text "Pad" at 5717.92,9964.37 h60
  text "(Mixed)" at 6307.77,9964.37 h60
  text "(Mixed)" at 7397.45,9964.37 h60
  text "26" at 1189.2,9814.37 h60
  text "31.50mil (0.800mm)" at 1829.03,9814.37 h60
  text "PTH" at 2978.69,9814.37 h60
  text "Round" at 3484.57,9814.37 h60
  text "Top Layer - Bottom Layer" at 4218.37,9814.37 h60
  text "Pad" at 5717.92,9814.37 h60
  text "(Mixed)" at 6307.77,9814.37 h60
  text "(Mixed)" at 7397.45,9814.37 h60
  text "27" at 1189.2,9664.37 h60
  text "78.74mil (2.000mm)" at 1829.03,9664.37 h60
  text "PTH" at 2978.69,9664.37 h60
  text "Round" at 3484.57,9664.37 h60
  text "Top Layer - Bottom Layer" at 4218.37,9664.37 h60
  text "Pad" at 5717.92,9664.37 h60
  text "Rounded Rectangle" at 6307.77,9664.37 h60
  text "(Mixed)" at 7397.45,9664.37 h60
  text "34" at 1189.2,9514.37 h60
  text "86.61mil (2.200mm)" at 1829.03,9514.37 h60
  text "PTH" at 2978.69,9514.37 h60
  text "Round" at 3484.57,9514.37 h60
  text "Top Layer - Bottom Layer" at 4218.37,9514.37 h60
  text "Pad" at 5717.92,9514.37 h60
  text "(Mixed)" at 6307.77,9514.37 h60
  text "(Mixed)" at 7397.45,9514.37 h60
  text "86" at 1189.2,9364.37 h60
  text "43.31mil (1.100mm)" at 1829.03,9364.37 h60
  text "PTH" at 2978.69,9364.37 h60
  text "Round" at 3484.57,9364.37 h60
  text "Top Layer - Bottom Layer" at 4218.37,9364.37 h60
  text "Pad" at 5717.92,9364.37 h60
  text "(Mixed)" at 6307.77,9364.37 h60
  text "(Mixed)" at 7397.45,9364.37 h60
  text "350" at 1189.2,9214.37 h60
  text "19.69mil (0.500mm)" at 1829.03,9214.37 h60
  text "PTH" at 2978.69,9214.37 h60
  text "Round" at 3484.57,9214.37 h60
  text "Top Layer - Bottom Layer" at 4218.37,9214.37 h60
  text "Via" at 5717.92,9214.37 h60
  text "Rounded" at 6307.77,9214.37 h60
  text "(Mixed)" at 7397.45,9214.37 h60
  text "804" at 1189.2,9064.37 h60
  text "15.75mil (0.400mm)" at 1829.03,9064.37 h60
  text "PTH" at 2978.69,9064.37 h60
  text "Round" at 3484.57,9064.37 h60
  text "Top Layer - Bottom Layer" at 4218.37,9064.37 h60
  text "Via" at 5717.92,9064.37 h60
  text "Rounded" at 6307.77,9064.37 h60
  text "(Mixed)" at 7397.45,9064.37 h60
  text "1412 Total" at 1189.2,8914.37 h60
  text "Slot definitions :" at 683.33,8769.4 h60
  text "Routed Path Length" at 1716.02,8769.4 h60
  text "= Calculated from tool start centre position to tool end centre position." at 2818.68,8769.4 h60
  text "Hole Length" at 1716.02,8669.43 h60
  text "= Routed Path Length + Tool Size = Slot length as defined in the PCB layout" at 2408.82,8669.43 h60

## Dimensions
0,6299.21 to 0,0 on Mechanical 1
0,6299.21 to 14960.63,6299.21 on Mechanical 1

## Text inside footprints (layer, text, board x,y; h text height)
C34: Bottom Overlay "+" at 9356.3,2480.32 h48
C36: Bottom Overlay "+" at 9226.38,2519.68 h48 r180
C69: Top Overlay "+" at 3366.14,523.62 h48 r270
C71: Bottom Overlay "+" at 3976.38,1344.49 h48 r270
C96: Top Overlay "+" at 9645.67,4895.67 h48 r90
C100: Top Overlay "+" at 9114.17,3982.28 h48 r270
C102: Bottom Overlay "+" at 3706.69,3070.87 h48
C112: Bottom Overlay "+" at 2938.98,2677.17 h48
C118: Bottom Overlay "+" at 1895.67,2952.76 h48
C132: Bottom Overlay "+" at 72.83,1220.47 h48
C133: Top Overlay "+" at 137.8,647.64 h48 r270
J2: Top Overlay "E" at 246.22,5816.77 h60 r270
K1: Top Overlay "T9GS5L14-5" at 6733.31,5265.51 h60 r90
K2: Top Overlay "G5LE-1 5VDC" at 6938.82,4242.28 h31.5 r90
L1: Top Overlay "50MM" at 13333.5,4152.4 h39.37 r180; Top Overlay "MPP" at 13548.07,4167.17 h60 r180
L2: Top Overlay "50MM" at 13390.91,2623.19 h39.37; Top Overlay "MPP" at 13176.34,2608.42 h60
P1: Bottom Overlay "12" at 14717.72,2778.35 h40 r90; Bottom Overlay "11" at 14824.02,2778.35 h40 r90; Bottom Overlay "1" at 14824.02,3430.31 h40 r90; Bottom Overlay "2" at 14717.72,3442.13 h40 r90
P2: Bottom Overlay "12" at 4701.97,308.27 h40 r180; Bottom Overlay "11" at 4701.97,414.57 h40 r180; Bottom Overlay "1" at 4050,414.57 h40 r180; Bottom Overlay "2" at 4038.19,308.27 h40 r180
P3: Bottom Overlay "12" at 13998.82,1857.09 h40; Bottom Overlay "11" at 13998.82,1750.79 h40; Bottom Overlay "1" at 14650.79,1750.79 h40; Bottom Overlay "2" at 14662.6,1857.09 h40
P4: Bottom Overlay "12" at 13998.82,1463.39 h40; Bottom Overlay "11" at 13998.82,1357.09 h40; Bottom Overlay "1" at 14650.79,1357.09 h40; Bottom Overlay "2" at 14662.6,1463.39 h40
P5: Top Overlay "19" at 774.02,315.35 h40 r180; Top Overlay "20" at 774.02,215.35 h40 r180; Top Overlay "1" at 1785.04,317.72 h40 r180; Top Overlay "2" at 1796.85,217.72 h40 r180
P6: Top Overlay "2" at 2201.6,5886.97 h60; Top Overlay "1" at 1965.38,5886.97 h60
P9: Top Overlay "2" at 2207.85,5176.02 h60 r180; Top Overlay "1" at 1971.63,5176.02 h60 r180
S1: Top Overlay "ON" at 2307.48,2039.37 h35 r180; Mechanical 13 "ON" at 2307.48,2039.37 h35 r180